# Altium PCB LimeSDR-X3_1v0.PcbDoc (part 22 of 25)
Units mm, origin at the board's own origin, x right, y up, seen from the top; angles counter-clockwise.
Board outline 232.5 x 111.15 mm, 12 copper layers (Top, L2, L3, L4, L5, L6, L7, L8, L9, L10, L11, Bottom), stack 1.596 mm thick; 2057 components, 1391 nets, 8880 pads, 3657 vias.
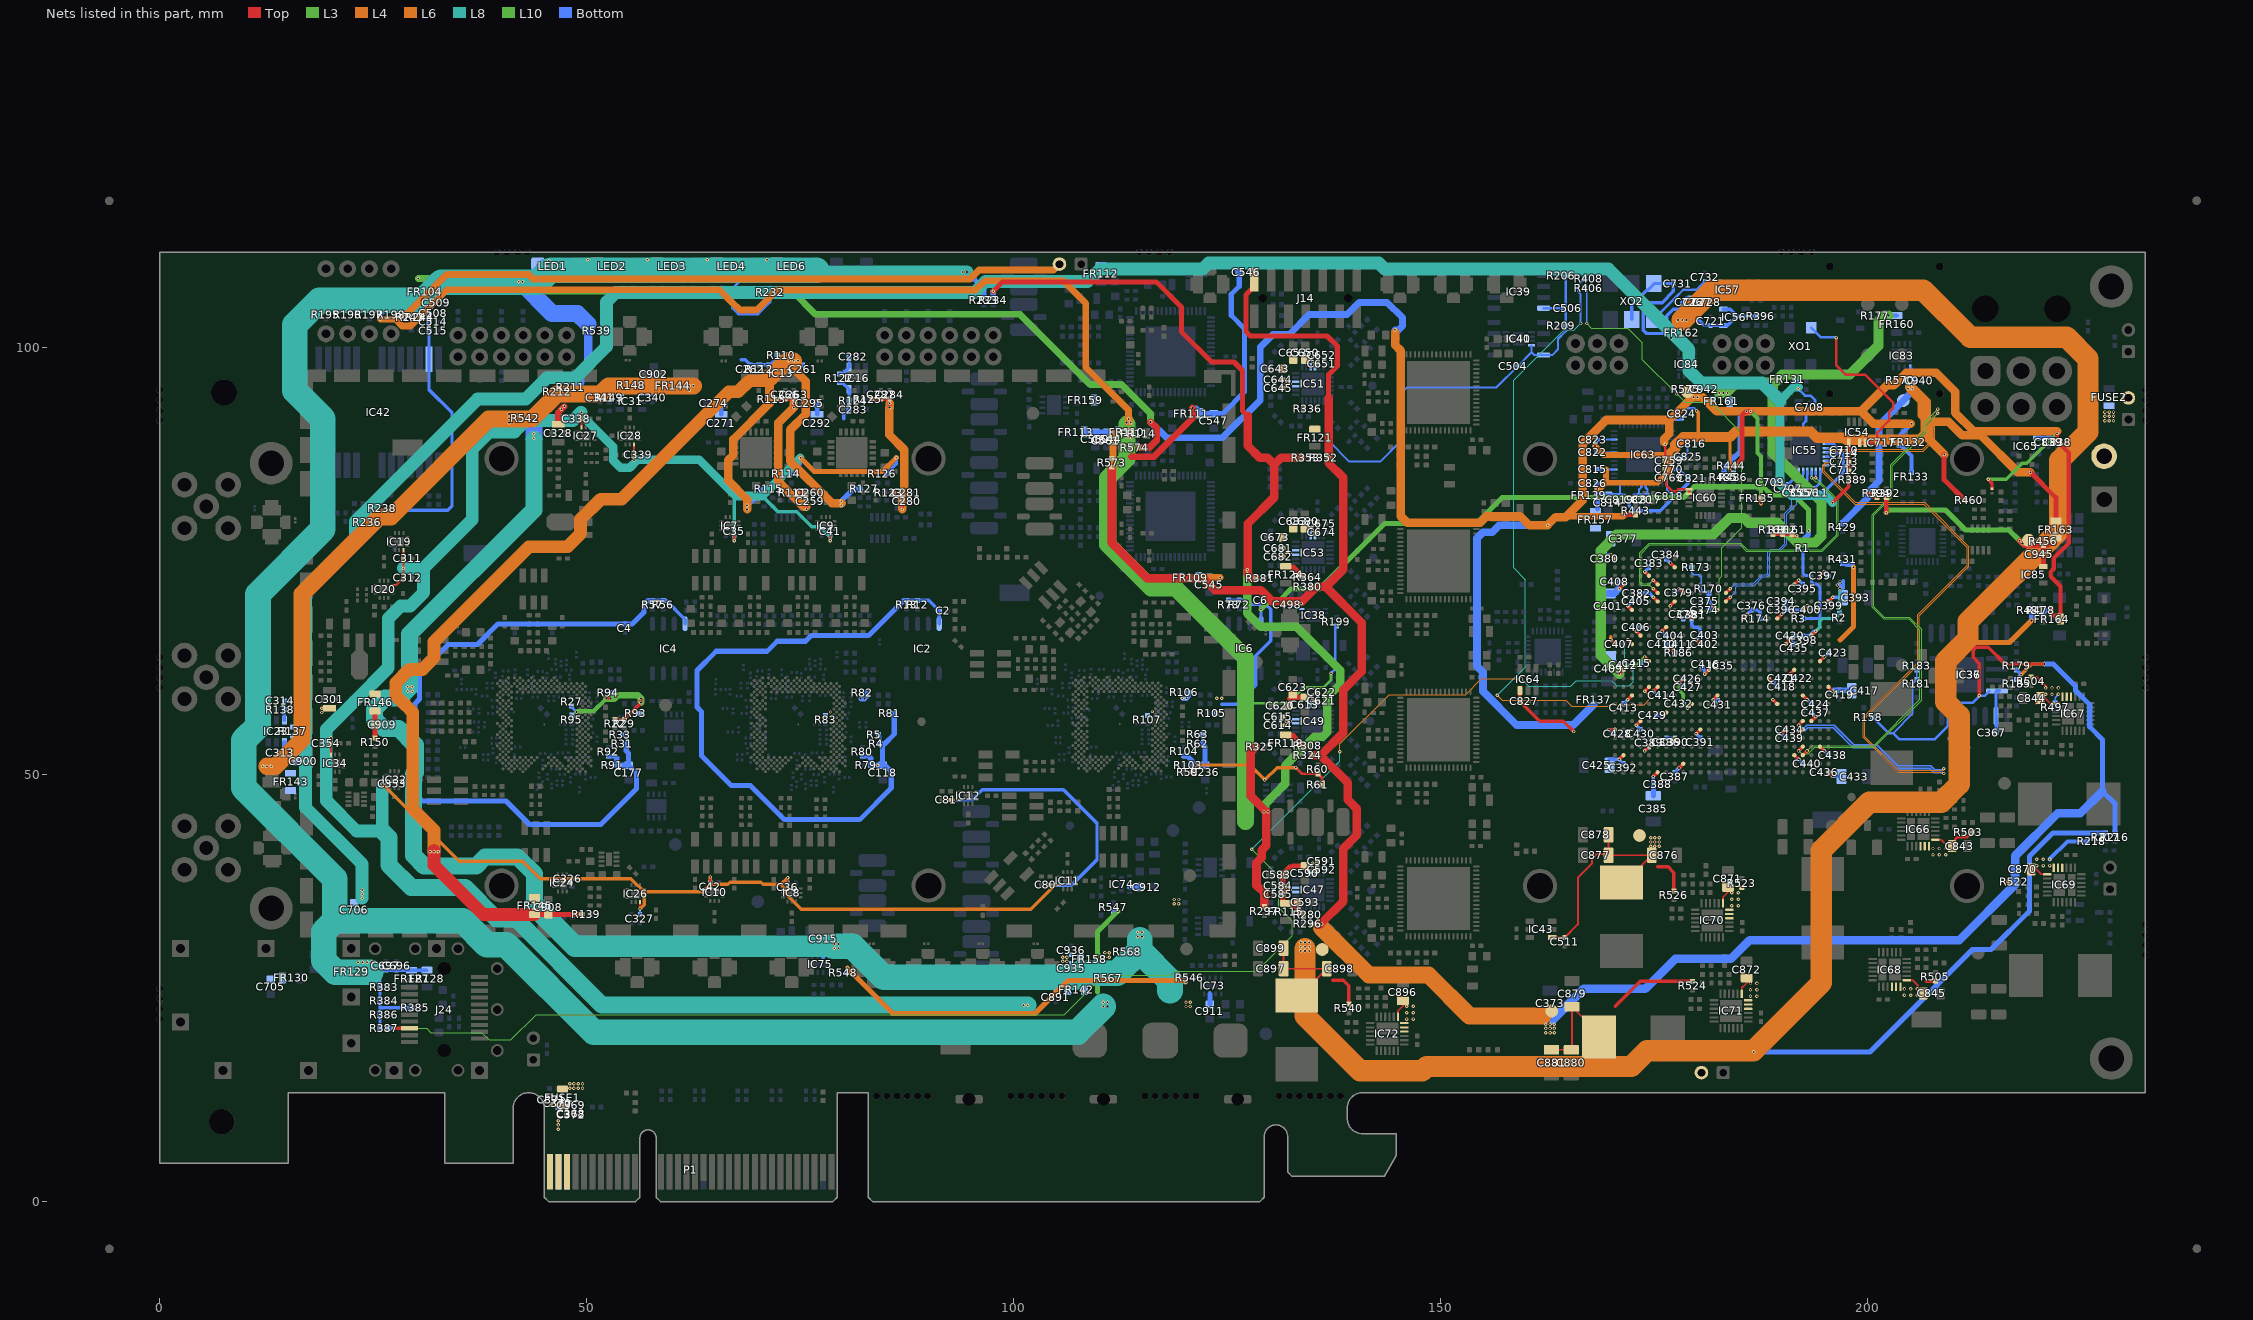
[diagram p32: the nets of this part, all layers, seen from the top]

## Via types
v1: diameter 0.4, hole 0.2, Top to Bottom, tented both sides, 3068 vias
v2: diameter 0.35, hole 0.2, Top to Bottom, tented both sides, 272 vias
v3: diameter 0.5, hole 0.2, Top to Bottom, tented bottom, 196 vias
v4: diameter 0.5, hole 0.2, Top to Bottom, tented both sides, 102 vias
v5: diameter 0.8, hole 0.4, Top to Bottom, tented both sides, 13 vias
v6: diameter 0.4, hole 0.2, Top to Bottom, tented top, 6 vias

## Nets (pads, with @x,y where several pads share a name; then routed paths per layer and width w, separated by ;. In a path a pad name is that pad's centre, name@x,y a point inside that pad or via, vN(x,y) a via of type N, cw(c..) or ccw(c..) an arc to the next point about the centre after c; other vN are vias at no path point) (continued)
VCC2P5: C377.2 C378.2 C379.1 C380.1 C381.1 C382.1 C383.1 C384.1 C385.2 C386.2 C387.1 C388.1 C389.1 C390.1 C391.1 C392.1 C401.2 C402.2 C403.1 C404.1 C405.1 C406.1 C407.1 C408.1 C417.2 C418.2 C419.1 C420.1 C421.1 C422.1 C423.1 C424.1 C425.2 C426.2 C427.1 C428.1 C429.1 C430.1 C431.1 C432.1 C433.2 C434.2 C435.1 C436.1 C437.1 C438.1 C439.1 C440.1 C511.2 C876.2 C877.2 C878.2 FR157.1 FR159.1 IC35.A1 IC35.A21 IC35.AA21 IC35.AB18 IC35.AC25 IC35.AD22 IC35.AE19 IC35.AF26 IC35.B18 IC35.C5 IC35.C25 IC35.D2 IC35.D22 IC35.E19 IC35.F6 IC35.F16 IC35.F26 IC35.G3 IC35.G23 IC35.H20 IC35.J7 IC35.J17 IC35.K4 IC35.K14 IC35.L1 IC35.M8 IC35.M18 IC35.N5 IC35.P2 IC35.T6 IC35.T16 IC35.T26 IC35.U23 IC35.V20 IC35.W17 IC35.Y24 IC43.1 L18.2 R195.1 R196.1 R197.1 R198.1 R199.2 R431.2 R526.2 R568.2 TP11.1 | length 296.2
  Top w0.2: C878.2@169.626,42.954 169.626,40.696 C877.2@169.626,40.554 C876.2@174.676,40.554 171.501,37.379 L18.2@171.151,37.379
  Top w0.24: IC43.1@163.022,30.922 164.472,30.922 C511.2@164.475,30.925 166.025,32.475 166.025,37.925 167.675,39.575 167.675,40.15 168.221,40.696 C877.2@169.626,40.696
  Top w0.4: v1(169.668,55.275) IC35.F26@170.375,55.275 ; v1(169.875,65.775) IC35.T26@170.375,65.275 ; v1(169.875,75.775) IC35.AF26@170.375,75.275 ; v1(170.875,51.775) IC35.C25@171.375,52.275 ; v1(170.875,71.775) IC35.AC25@171.375,72.275 ; v1(171.875,69.775) IC35.Y24@172.375,69.275 ; v1(172.875,55.775) IC35.G23@173.375,56.275 ; v1(172.875,66.775) IC35.U23@173.375,66.275 ; v1(173.875,52.775) IC35.D22@174.375,53.275 ; v1(173.875,73.775) IC35.AD22@174.375,73.275 ; v1(174.875,49.775) IC35.A21@175.375,50.275 ; v1(174.875,70.775) IC35.AA21@175.375,70.275 ; 175.401,39.204 176.601,39.204 177.274,38.532 177.274,36.395 R526.2@177.274,36.389 R526.2@177.274,36.382 ; v1(175.875,56.775) IC35.H20@176.375,57.275 ; v1(175.875,66.775) IC35.V20@176.375,67.275 ; v1(176.875,74.775) IC35.AE19@177.375,74.275 ; IC35.E19@177.375,54.275 v1(177.875,53.775) ; v1(177.875,50.775) IC35.B18@178.375,51.275 ; v1(177.875,60.775) IC35.M18@178.375,61.275 ; v1(177.875,71.775) IC35.AB18@178.375,71.275 ; v1(178.875,57.775) IC35.J17@179.375,58.275 ; v1(178.875,68.775) IC35.W17@179.375,68.275 ; v1(179.875,54.775) IC35.F16@180.375,55.275 ; v1(179.875,65.775) IC35.T16@180.375,65.275 ; v1(181.875,58.775) IC35.K14@182.375,59.275 ; IC35.M8@188.375,61.275 v1(188.875,60.775) ; v1(188.875,58.775) IC35.J7@189.375,58.275 ; v1(189.875,54.775) IC35.F6@190.375,55.275 ; IC35.T6@190.375,65.275 v1(190.875,65.775) ; v1(190.875,61.775) IC35.N5@191.375,62.275 ; IC35.C5@191.375,52.275 v1(191.875,51.775) ; IC35.K4@192.375,59.275 v1(192.875,58.775) ; IC35.G3@193.375,56.275 v1(193.875,56.775) ; IC35.D2@194.375,53.275 v1(194.875,52.775) ; IC35.P2@194.375,63.275 v1(194.875,63.775) ; IC35.A1@195.375,50.275 v1@195.875,49.775 ; IC35.L1@195.375,60.275 v1(195.875,59.775)
  L3 w0.4: v1(177.875,60.775) 177.875,59.9 178.375,59.4 178.375,58.275 v1(178.875,57.775)
  L4 w0.8: v1(25.79,103.325) 27.55,103.325 28.35,102.525 29.35,102.525 33.6,106.775 65.525,106.775 66.95,105.35 67.9,104.4 69.925,104.4 72.275,106.75 95.525,106.75 96.6,107.825 105.775,107.825 108.4,105.2 108.4,97.7 113.425,92.675 v1(113.425,91.65)
  L4 w1: 113.425,91.325 v1(113.425,91.65)
  L10 w0.3: 127.75,58.353 132.093,58.353 133.94,60.2 136.225,60.2 137.125,61.1 v1(137.125,61.875)
  L10 w2: 113.225,91.025 113.225,86.975 110.95,84.7 110.95,76.975 116.075,71.85 118.925,71.85 127.1,63.675 127.1,44.5
  L6 w0.4: v1(169.875,65.775) 169.875,66.175
  L6 w0.6: 196.75,65.775 198.3,67.325 v1(198.3,74.275)
  Bottom w0.3: v1(137.125,61.875) 137.625,62.375 137.625,67.275 R199.2@137.75,67.4
  Bottom w0.4: R195.1@19.44,104.365 R197.1@24.52,104.365 25.155,104.365 25.79,103.73 26.425,104.365 R198.1@27.06,104.365 ; C380.1@169.175,75.775 v1(169.875,75.775) ; v1(169.668,55.275) 169.7,55.275 C428.1@170.2,54.775 ; C425.2@169.725,51.775 v1(170.875,51.775) 170.875,51.75 C392.1@171.35,51.275 ; v1(169.875,65.775) C407.1@170.375,65.275 ; v1(170.875,71.775) C408.1@170.875,72.6 ; v1(171.875,69.775) 172.375,70.275 C405.1@172.375,70.3 ; v1(172.875,55.775) C430.1@173.375,55.275 ; v1(172.875,66.775) C406.1@173.375,67.275 ; C382.1@173.4,71.275 174.375,71.275 v1(174.875,70.775) ; v1(173.875,52.775) C389.1@174.325,53.225 ; v1(173.875,73.775) C383.1@174.375,74.275 ; C388.1@174.875,48.884 v1(174.875,49.775) ; C429.1@175.275,56.925 175.725,56.925 v1(175.875,56.775) ; v1(175.875,66.775) C404.1@176.375,66.275 ; C386.2@176.4,54.275 176.4,54.25 176.425,54.275 177.375,54.275 v1(177.875,53.775) ; C384.1@176.4,75.25 v1(176.875,74.775) ; C387.1@177.375,50.275 v1(177.875,50.775) ; C379.1@177.375,71.25 177.375,71.275 v1(177.875,71.775) ; C432.1@178.375,58.275 v1(178.875,57.775) ; C427.1@178.375,60.25 178.375,60.275 v1(177.875,60.775) 177.9,60.775 C426.2@178.375,61.25 ; C378.2@178.375,68.25 v1@178.875,68.75 ; v1(178.875,68.775) v1@178.875,68.75 ; v1(179.875,54.775) C391.1@180.35,54.3 ; C402.2@180.375,65.275 v1(179.875,65.775) 179.875,65.8 C403.1@180.375,66.3 180.375,66.982 180.082,67.275 179.668,67.275 179.375,67.568 C381.1@179.375,68.225 178.875,68.725 v1@178.875,68.75 ; v1(181.875,58.775) 182.325,58.775 C431.1@182.425,58.675 ; C418.2@189.4,60.275 188.9,60.775 v1(188.875,60.775) 189.375,61.275 C421.1@189.4,61.275 ; C439.1@190.325,54.325 v1(189.875,54.775) C434.2@190.325,55.225 ; v1(190.875,61.775) C422.1@191.375,61.275 ; C435.1@191.375,65.275 v1(190.875,65.775) C420.1@191.375,66.275 ; v1(191.875,51.775) C440.1@192.375,51.275 ; v1(192.875,58.775) C424.1@193.4,58.25 ; C437.1@193.4,57.25 v1(193.875,56.775) ; v1(194.875,52.775) C438.1@195.375,52.275 ; v1(194.875,63.775) C423.1@195.375,64.275 ; C436.1@195.375,50.275 v1(195.875,49.775) C433.2@196.9,49.775
  Bottom w0.6: v1(25.79,103.325) 25.79,103.73 ; C385.2@174.875,47.525 C388.1@174.875,48.884 ; v1(195.875,59.775) 195.975,59.875 C419.1@196.675,59.875 198.05,59.875 C417.2@198.1,59.825 ; R431.2@197.05,74.725 197.4,74.725 197.5,74.625 198.175,74.625
  Bottom w0.8: C401.2@169.575,71.2 170.3,71.2 v1(170.875,71.775)
  other v1: 118.775,34.875 119.275,34.875 118.775,35.375 119.275,35.375 174.551,41.605 175.051,41.605 175.551,41.605 174.551,42.105 175.051,42.105 175.551,42.105 174.551,42.604 175.051,42.604 175.551,42.604 113.175,91.225 113.675,91.225
VCC2P5_CLK: C814.1 C815.1 C816.1 C817.2 C818.2 C819.2 C820.2 C821.2 C822.2 C823.2 C824.2 C825.2 C826.2 C940.2 FR139.1 FR157.2 FR163.1 IC63.7 IC63.10 IC63.13 IC63.18 IC63.19 IC63.24 IC63.27 IC63.30 IC63.31 IC63.34 IC63.48 IC83.1 R394.2 R429.1 R460.2 R486.2 R570.2 TP24.1 | length 173.7
  Top w0.4: v1(200.025,83.075) 200.55,82.55 200.95,82.55 R394.2@201.05,82.45
  Top w0.6: v1(208.925,87.475) 208.925,84.525 R460.2@211.35,82.1 ; v1(219.025,85.4) 222,82.425 FR163.1@222,79.7
  L4 w1: 204.95,95.55 204.95,95.1 206.3,93.75 206.3,92.094 207.2,91.194 ; v1(208.925,87.475) 207.2,89.2 207.2,91.194 ; v1@219.013,85.412 217.538,85.412 213.225,89.725 211.05,89.725 209.45,91.325 207.2,91.325 207.2,91.194
  L6 w0.4: v1(179.925,92.612) 180.125,92.412 180.125,89.575 ; v1(183.85,85.55) 183.85,89.525
  L6 w0.7: v1(168.05,88.477) 169.077,87.45 176.725,87.45 176.725,85.55 175.35,84.175 169.311,84.175 ; v1(168.31,83.45) 168.586,83.45 169.311,84.175 ; v1(169.311,85.725) 169.311,84.175
  L6 w1.2: 176.725,87.45 177.45,88.175 177.45,88.625 178.35,89.525 183.85,89.525 184.5,90.175 193.3,90.175 194.025,89.45 197.198,89.45 197.448,89.2 206.05,89.2 206.775,89.925 206.775,93.6 204.95,95.425
  Bottom w0.25: C815.1@168.293,85.753 168.321,85.725 v1(169.311,85.725) IC63.27@170.3,85.725 ; IC63.30@170.3,87.225 IC63.31@170.3,87.725 168.296,87.725 C822.2@168.293,87.728 168.243,87.728 168.118,87.853 168.118,89.1 168.243,89.225 C823.2@168.293,89.225 IC63.34@170.3,89.225 ; IC63.24@170.95,84.075 170.95,82.699 170.952,82.697 170.955,82.694 C819.2@170.957,82.692 C819.2@170.96,82.689 ; C820.2@173.185,82.689 173.185,83.389 173.45,83.654 IC63.19@173.45,84.075 ; IC63.18@173.95,84.075 173.95,83.624 174.185,83.389 C817.2@174.185,82.689 ; IC63.13@176.45,84.075 176.45,83.374 C818.2@177.235,82.589 ; IC63.48@176.45,90.875 176.45,91.225 176.75,91.525 177.949,91.525 C824.2@178.199,91.775 178.75,92.326 178.75,92.675 178.975,92.9 179.662,92.9 v1@179.95,92.612 ; C816.1@178.874,88.725 178.874,87.65 C825.2@178.449,87.225 IC63.7@177.1,87.225 176.525,87.225 176.325,87.025 176.325,85.925 176.525,85.725 IC63.10@177.1,85.725 177.972,85.725 178.949,84.748 C821.2@178.949,84.725
  Bottom w0.3: IC83.1@204.936,97.695 204.936,97.495 205.136,97.495 205.5,97.131 C940.2@205.5,96.125
  Bottom w0.4: FR139.1@168.285,82.739 FR139.1@168.31,82.714 FR139.1@168.33,82.694 ; C819.2@170.952,82.697 171.528,82.697 172.06,82.164 ; C817.2@174.185,82.689 C820.2@173.185,82.689 172.585,82.689 172.06,82.164 ; C818.2@177.235,82.589 177.285,82.589 C818.2@177.337,82.537 ; C821.2@178.949,84.725 178.949,84.149 C818.2@177.337,82.537 ; 172.06,82.164 172.06,81.489 172.674,80.875 175.675,80.875 C818.2@177.337,82.537
  Bottom w0.6: FR139.1@168.285,82.739 C826.2@168.285,84.114 ; FR157.2@168.31,81.09 FR139.1@168.31,82.714 ; FR139.1@168.33,82.694 C814.1@169.56,82.694 C819.2@170.955,82.694
  Bottom w0.8: R429.1@197.05,79.475 200.025,82.45 v1(200.025,83.075) 201.313,84.362 201.313,90.963 TP24.1@204.15,93.8 204.95,94.6 204.95,95.175 204.95,95.35
  other v1: 204.7,95.175 205.2,95.175 204.7,95.675 205.2,95.675
VCC2P5_VREF: C945.2 FR163.2 IC85.2 R392.1 R456.1 TP26.1 | length 26.7
  Top w0.5: v1(202.15,80.675) R392.1@202.15,82.45
  Top w0.6: v1(217.752,77.398) v1(218.1,77.05) 218.302,76.848 R456.1@220.55,76.848 ; IC85.2@220.55,74.35 C945.2@220.55,75.798 R456.1@220.55,76.848 ; FR163.2@221.75,77.7 221.65,77.6 221.65,77.35 221.148,76.848 R456.1@220.55,76.848
  L10 w0.6: v1(202.15,80.675) 202.475,81 209.075,81 211.425,78.65 216.5,78.65 v1(217.752,77.398) v1(218.1,77.05)
VCC3P0_BATT: J20.2 R243.2 | length 80.5
  L4 w0.8: v1(28.65,103.625) 33.575,108.55 43.175,108.55 43.7,108.025 94.85,108.025 95.9,109.075 104.63,109.075 J20.2@105.33,109.775
  Bottom w0.6: v1(28.65,103.625) 29.075,104.05 R243.2@29.325,104.05
VCC3P3: C367.1 C373.2 C374.2 C375.1 C376.1 C409.2 C410.2 C411.1 C412.1 C413.1 C414.1 C415.1 C416.1 C498.1 C504.1 C506.1 C696.2 C697.2 C827.2 C879.2 C880.2 C881.2 FR127.1 FR128.1 FR129.1 FR142.1 FR160.1 FR161.1 IC35.K24 IC35.L21 IC35.N15 IC35.N25 IC35.P22 IC35.R19 IC35.W11 IC35.Y14 IC36.8 IC37.2 IC38.8 IC39.8 IC40.8 IC41.8 IC64.1 J14.2 L19.2 LED1.3 LED2.3 LED3.3 LED4.3 LED6.3 R158.1 R161.1 R162.1 R163.1 R170.1 R173.1 R174.1 R177.1 R179.1 R181.1 R183.1 R185.1 R186.1 R206.1 R209.1 R211.2 R216.2 R232.1 R233.2 R296.2 R324.2 R352.2 R380.2 R383.1 R384.1 R385.1 R386.1 R387.1 R524.1 R539.2 R546.1 R547.1 R548.1 R567.2 R573.2 TP12.1 | length 901.6
  Top w0.2: C881.2@162.95,17.775 165.35,17.775 C879.2@165.35,22.825 168.525,19.65 L19.2@168.525,19.3
  Top w0.25: v1(133.65,70.025) 134.9,71.275 134.9,71.475 R380.2@134.9,72
  Top w0.4: IC64.1@159.25,59.85 159.25,58.567 C827.2@159.252,58.565 161.549,56.268 164.332,56.268 v1(165.55,55.05) ; 170.4,22.85 173.334,25.784 R524.1@179.473,25.784 ; v1(170.875,61.775) IC35.N25@171.375,62.275 ; v1(171.875,58.775) IC35.K24@172.375,59.275 ; v1(173.875,63.775) IC35.P22@174.375,63.275 ; v1(174.875,59.775) IC35.L21@175.375,60.275 ; v1(176.875,64.775) IC35.R19@177.375,64.275 ; v1(180.875,61.775) IC35.N15@181.375,62.275 ; v1(181.875,69.775) IC35.Y14@182.375,69.275 ; IC35.W11@185.375,68.275 v1(185.875,68.775) ; R163.1@188.9,78.15 R162.1@190,78.15 R161.1@191.1,78.15 191.1,78.1 191.225,77.975 v1(191.65,77.975) ; v1(213.05,59.225) 213.05,63 212.325,63.725 212.325,64.55 212.675,64.9 214.1,64.9 216.05,62.95 v1(220.675,62.95)
  Top w0.6: J14.2@128.15,107.925 128.15,107.15 127.15,106.15 127.15,101.9 127.675,101.375 136.65,101.375 137.85,100.175 137.85,97.85 136.85,96.85 136.85,94.15
  Top w1: R573.2@111.45,85.875 111.45,77.125 115.575,73 122.125,73 123.525,71.6 128.925,71.6 130.2,70.325 133.75,70.325 134.9,71.475 135.425,72 136.5,72 ; R324.2@135.025,52.25 135.9,52.25 ; v1(135.5,32.5) 135.9,32.5 138.55,35.15 138.55,41.325 140.15,42.925 140.15,46 139.1,47.05 139.1,49.05 135.9,52.25 ; 136.85,94.15 v1(136.85,89.075) 136.85,86.5 138.55,84.8 138.55,74.05 136.5,72 ; 135.9,52.25 138.55,54.9 138.55,59.925 140.7,62.075 140.7,67.8 136.5,72
  L8 w1.5: 77.65,108.85 v1(94,108.85) v1(94.5,108.85)
  L8 w3: 24.65,26.875 23.725,26.875 20.525,26.875 19.175,28.225 19.175,31.6 20.45,32.875 ; 45.612,108.988 44.3,107.675 42.463,107.675 42,107.675 32.95,107.675 30.8,105.525 18.65,105.525 15.8,102.675 15.8,94.95 19.075,91.675 19.075,78.725 11.475,71.125 11.475,55.675 9.825,54.025 9.825,48.45 20.45,37.825 20.45,32.875 ; 45.8,109.075 48.875,109.075 50.075,109.075 55.875,109.075 57.075,109.075 62.875,109.075 64.075,109.075 69.875,109.075 71.075,109.075 76.875,109.075 ; v1(110.45,22.85) 107.45,19.85 50.775,19.85 40.55,30.075 38.275,30.075 35.475,32.875 20.45,32.875
  L10 w0.4: 170.975,62 171.725,62.75 172.85,62.75 v1(173.875,63.775)
  L10 w0.6: 109.8,24.575 109.8,31.637 v1(112.15,33.987)
  L10 w1.2: v1(170.875,61.775) 168.7,63.95 168.7,76.225 170.6,78.125 181.875,78.125 183.8,80.05 185.5,80.05 186.05,79.5 189.375,79.5 191.7,77.175 193.825,77.175 194.55,77.9 194.55,81.975 188.85,87.675 188.85,95.725 ; v1(182.575,94.675) v1(183.075,94.675) 183.375,94.675 184.575,95.875 188.85,95.875 188.85,95.725 ; v1(202.412,103.75) v1(201.9,103.75) 201.225,103.075 201.225,100.2 197.875,96.85 189.975,96.85 188.85,95.725
  L6 w0.4: v1(217.925,61.7) 219.175,62.95 v1(220.675,62.95)
  L6 w0.6: v1(80.5,27.325) 85.8,22.025 102.45,22.025 106.325,25.9 119.9,25.9 v1(120.1,25.7)
  L6 w2: 136.025,32.075 141.575,26.525 148.55,26.525 153.325,21.75 161.925,21.75
  Bottom w0.15: R173.1@179.375,74.278 179.375,73.648 179.623,73.4 180.204,73.4 180.5,73.104 180.5,71.62 180.845,71.275 R170.1@181.375,71.275 ; 202.937,54.862 205.25,57.175 205.25,60.66 205.515,60.925 R181.1@205.74,61.15 R183.1@205.74,62.25
  Bottom w0.25: v1(136.85,89.075) 139.275,86.65 142.885,86.65 145.175,88.94 145.175,94.475 146.05,95.35 156.503,95.35 C504.1@158.989,97.836 160.612,99.459 160.612,99.46 ; IC40.8@160.612,100.25 160.612,99.46 ; IC39.8@162.018,104.615 C506.1@164.338,104.615 ; R206.1@164.613,108.425 164.613,104.89 C506.1@164.338,104.615 ; 160.612,99.46 160.957,99.115 IC41.8@162.018,99.115 163.015,99.115 163.7,99.8 163.7,101 164.613,101.913 R209.1@164.613,102.575 164.613,104.34 C506.1@164.338,104.615
  Bottom w0.3: v1(71.075,110.275) 71.075,109.65 69.625,108.2 68.325,108.2 67.025,106.9 67.025,104.625 67.725,103.925 70.032,103.925 71.446,105.339 R232.1@71.446,105.975 ; R158.1@200.525,56.725 202.4,54.85 202.95,54.85 203.675,54.125 207.775,54.125 209.35,55.7 209.35,58.125 209.625,58.4 212.225,58.4 v1(213.05,59.225) 213.675,59.225 IC36.8@214.225,59.775
  Bottom w0.4: R387.1@25.766,20.291 R386.1@25.766,21.891 25.766,22.597 ; 25.766,27.1 R383.1@25.766,25.091 25.766,22.597 ; 25.775,27.1 26.9,27.1 29.45,27.1 FR128.1@31.25,27.1 ; R385.1@29.382,22.691 25.86,22.691 25.766,22.597 ; LED1.3@44.225,109.625 44.775,110.175 v1(45.525,110.175) ; v1(50.075,110.275) 50.575,110.275 LED2.3@51.225,109.625 ; v1(57.075,110.275) LED3.3@58.225,110.275 ; v1(64.075,110.275) 64.575,110.275 LED4.3@65.225,109.625 ; v1(71.075,110.275) 71.575,110.275 LED6.3@72.225,109.625 ; R548.1@80.5,26.825 v1(80.5,27.325) ; R547.1@111.65,33.987 v1(112.15,33.987) ; v1(120.1,25.7) R546.1@120.1,26.2 ; v1(170.875,61.775) 171.35,62.25 C412.1@171.35,62.3 ; C413.1@171.4,58.3 v1(171.875,58.775) ; C415.1@173.4,63.05 173.875,63.525 v1(173.875,63.775) ; v1(174.875,59.775) C414.1@175.375,59.275 ; C410.2@176.375,65.275 v1(176.875,64.775) ; R186.1@177.375,64.275 v1(176.875,64.775) ; C411.1@177.375,65.275 v1(176.875,64.775) ; C416.1@180.621,62.496 180.875,62.243 v1(180.875,61.775) ; C374.2@181.375,69.225 181.375,69.275 v1(181.875,69.775) C375.1@181.375,70.275 R170.1@181.375,71.275 ; v1(185.875,68.775) C376.1@186.375,69.275 187.082,69.275 187.375,68.982 R174.1@187.375,68.275 ; C367.1@215.009,54.92 215.009,56.841 IC37.2@215,56.85 215,59.72 215.075,59.795 IC36.8@215.11,59.795 215.41,59.795 IC36.8@215.399,59.806 ; R185.1@217.41,61.15 217.925,61.665 v1(217.925,61.7) 217.925,61.735 R179.1@217.41,62.25
  Bottom w0.5: R177.1@201.349,103.75 v1(201.9,103.75) v1(202.412,103.75) FR160.1@203.375,103.75
  Bottom w0.6: v1(94,108.85) v1(94.5,108.85) 96.47,106.88 R233.2@96.47,106.02 ; v1(220.675,62.95) 221.7,62.95 224.3,60.35 224.3,59.85 225.975,58.175 225.975,55.6 227.45,54.125 227.45,48.059 228.925,46.584 R216.2@228.925,43.175
  Bottom w1: R211.2@48.611,95.35 49.2,95.939 49.2,96.95 50.125,97.875 50.125,102.75 ; C373.2@163.1,21.3 166.725,24.925 173.95,24.925 177.439,28.414 183.939,28.414 186.15,30.625 210.719,30.625 217.25,37.156 217.25,40.5 222.2,45.45 224.841,45.45 227.45,48.059
  Bottom w2: 42.225,107.675 45.925,103.975 48.9,103.975 50.125,102.75
  other v1: 162.275,19.775 162.775,19.775 163.275,19.775 162.275,20.275 162.775,20.275 163.275,20.275 162.275,20.775 162.775,20.775 163.275,20.775 110.95,22.85 110.45,23.35 110.95,23.35 23.2,28.025 23.725,28.025 24.25,28.025 24.775,28.025 136.025,32.5 183.575,94.675 42,107.7 42.463,107.7
VCC3P3_BBDAC: C544.2 C545.2 C546.2 C547.2 C560.2 C561.2 FR109.1 FR110.1 FR111.1 FR112.1 FR113.1 FR114.1 R573.1 R574.1 | length 82.9
  Top w0.8: 113.75,87.225 116.397,87.225 120.9,91.728 v1(120.9,92.925)
  L6 w0.8: v1(111.59,90.102) 111.59,77.16 115.673,73.077 v1(124.152,73.077)
  Bottom w0.6: FR113.1@108.228,90.102 v1(111.59,90.102) FR110.1@112.227,90.102 ; FR112.1@110.175,109.625 125.6,109.625 C546.2@126.375,108.85 126.375,107.175 125.45,106.25 125.45,103.777 126.975,102.252 126.975,94.8 124.44,92.265 C547.2@123.4,92.265 122.01,92.265 121.35,92.925 v1(120.9,92.925) ; FR109.1@121.629,73.077 C545.2@122.854,73.077 v1(124.152,73.077)
VCC3P3_CLK: C759.2 C769.1 C770.1 C838.1 C839.2 C942.2 FR104.1 FR132.1 FR133.1 FR135.1 FR136.2 FR137.1 FR161.2 FR164.1 IC60.16 IC60.17 IC65.1 IC84.1 R443.2 R444.2 R478.1 R485.1 R574.2 R575.2 TP25.1 | length 408.4
  Top w0.3: v1(176.25,88.7) C759.2@176.25,86.75 C770.1@176.25,85.75 C769.1@176.25,84.75 176.3,84.75 176.4,84.65 176.4,83.875 177.125,83.15 177.55,83.15 177.8,83.4 178.326,83.4 IC60.16@179.05,83.4 IC60.17@179.05,82.9
  Top w0.4: v1(214.075,84.575) 214.525,84.125 FR136.2@214.525,83.485
  Top w0.5: v1(171.41,80.415) R443.2@172.786,80.415 ; v1(187.48,81.78) FR135.1@187.48,82.37 ; v1(221.525,69.575) 221.525,68.875 221.802,68.598 222.389,68.598 FR164.1@222.539,68.448 ; v1(222.15,89.988) 222.15,89.025 223.525,87.65 223.525,77.125 221.75,75.35 221.75,74.103 221.375,73.728 221.375,73.225 222.539,72.061 FR164.1@222.539,68.448 ; FR164.1@222.539,68.198 FR164.1@222.539,68.448
  Top w0.6: R444.2@184.486,86.14 185.25,86.904 185.25,92.012 v1(185.775,92.537) v1(186.275,92.537)
  Top w0.8: R574.2@114.65,88.3 115.853,88.3 116.725,89.172 116.725,90.575 v1(116,91.3)
  L3 w0.4: v1(214.075,84.575) 216.175,84.575 218.05,86.45 218.612,86.45 v1(222.15,89.988)
  L3 w0.5: v1(185.775,92.537) v1(186.275,92.537) 187.075,91.737 187.075,87.65 187.48,87.245 v1(187.48,81.78)
  L4 w0.8: v1(162.5,79.198) 163.552,80.25 171.245,80.25 v1(171.41,80.415)
  L10 w0.8: v1(30.25,108.1) 33.375,108.1 34.875,106.6 74.075,106.6 76.775,103.9 100.7,103.9 108.925,95.675 112.6,95.675 116,92.275 v1(116,91.3)
  L6 w1: 144.625,101.775 144.625,100.3 145.3,99.625 145.3,80.25 146.05,79.5 154.575,79.5 155.3,80.225 159.3,80.225 160.327,79.198 v1(162.5,79.198) ; v1@162.486,79.211 163.425,80.15 164.6,80.15 165.572,81.122 166.6,82.15 166.6,88.775 169.35,91.525 176.75,91.525 ; 176.175,88.925 176.175,89.35 176.75,89.925 176.75,91.525 ; v1@205.025,91.075 200.65,91.075 199.188,92.537 ; 222.15,90.225 212.35,90.225 210.2,92.375 210.2,94.85 207.975,97.075 204.5,97.075 203.025,95.6 202.25,95.6 199.188,92.537 ; 176.75,91.525 179.4,94.175 v1(180.05,94.175) 180.651,94.175 182.289,92.537 v1(185.775,92.537) v1(186.275,92.537) 199.188,92.537
  Bottom w0.3: IC84.1@179.786,96.695 179.786,96.495 179.986,96.495 180.35,96.131 C942.2@180.35,95.125
  Bottom w0.5: FR133.1@205.1,85.375 205.1,87.325 203.725,88.7 FR132.1@203.725,88.937 203.725,89.7 v1(205.1,91.075) ; IC65.1@219.8,89.425 C838.1@222.15,89.425 v1(222.15,89.988) ; R478.1@220.25,68.75 220.3,68.8 220.475,68.8 221.25,69.575 v1(221.525,69.575)
  Bottom w0.6: R485.1@183.14,85.3 183.14,85.915 185.025,87.8 185.025,91.787 v1(185.775,92.537) v1(186.275,92.537)
  Bottom w0.8: v1(116,91.3) 117.85,89.45 124.425,89.45 128.85,93.875 128.85,100.075 130.338,101.563 132.238,101.563 134.55,103.875 139,103.875 140.425,105.3 143.7,105.3 145.5,103.5 145.5,102.525 145.05,102.075 v1(144.625,102.075)